# Altium PCB CPU.PcbDoc (part 1 of 2)
Units mm, origin at the board's own origin, x right, y up, seen from the top; angles counter-clockwise.
Board outline 164.68 x 100.38 mm, 2 copper layers (Top Layer, Bottom Layer); 83 components, 106 nets, 453 pads, 320 vias.
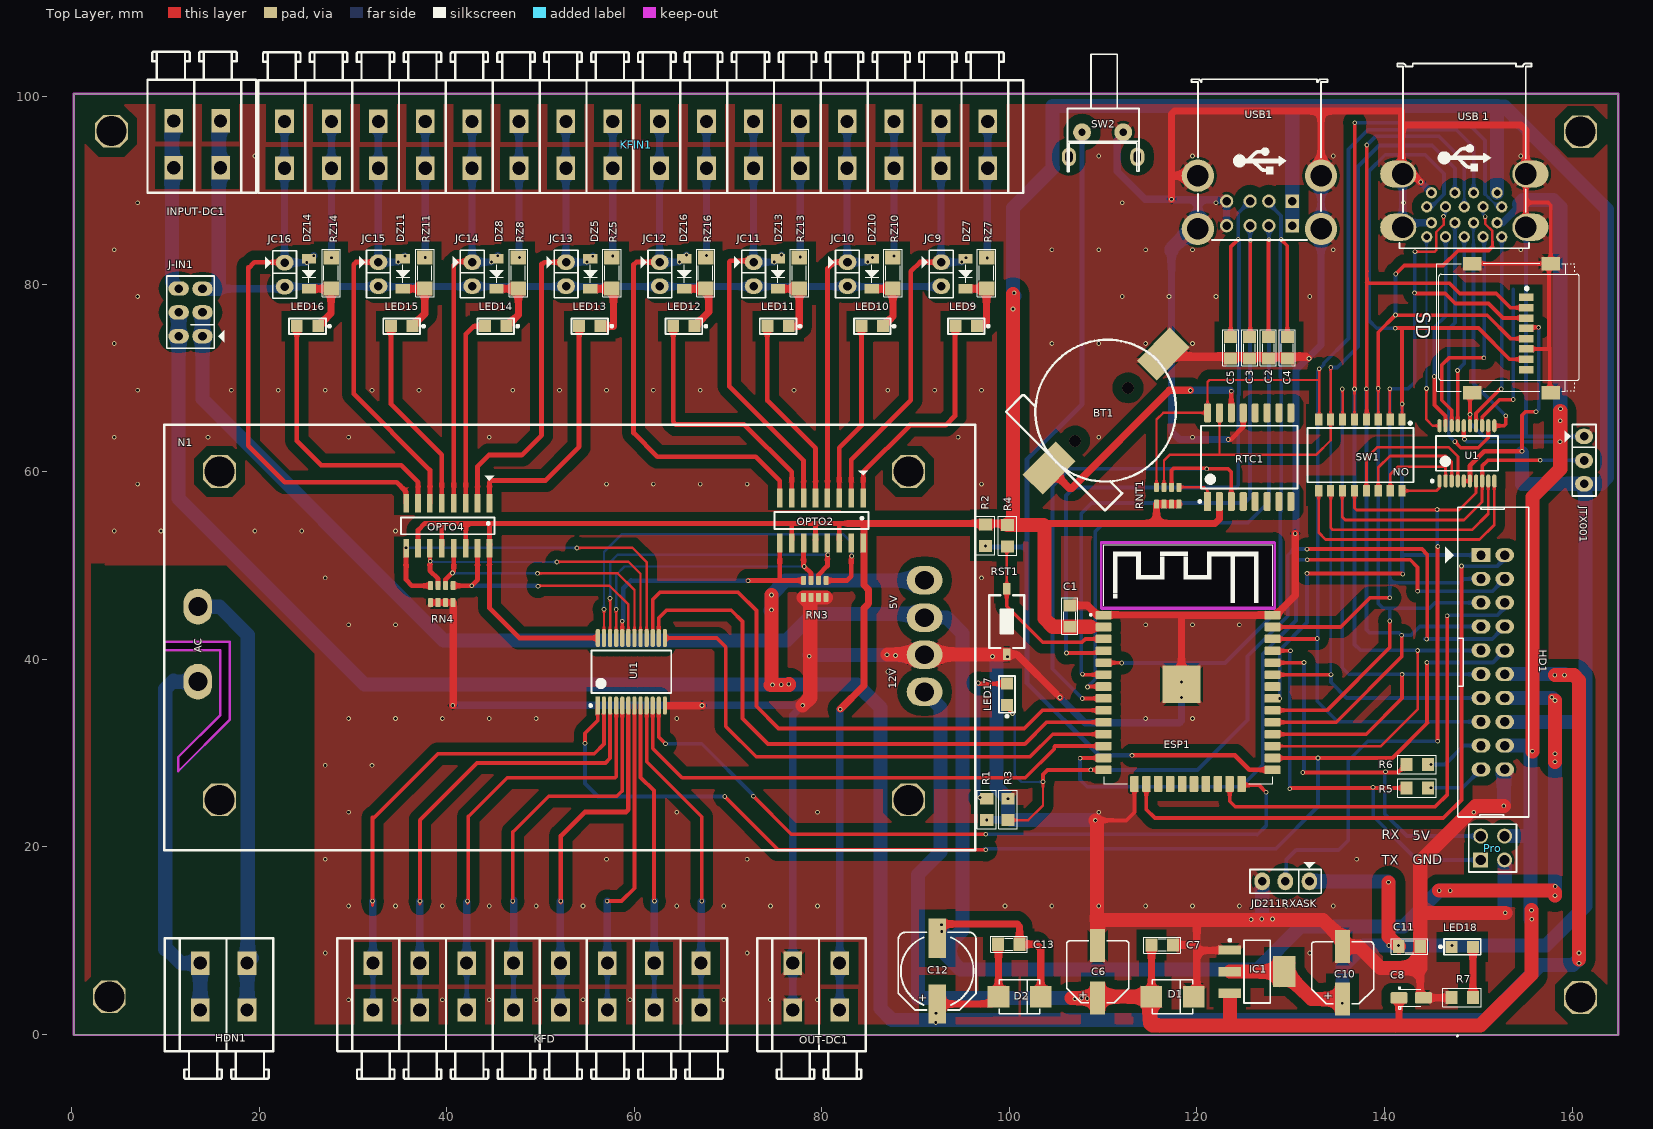
[diagram p0: Top Layer view]
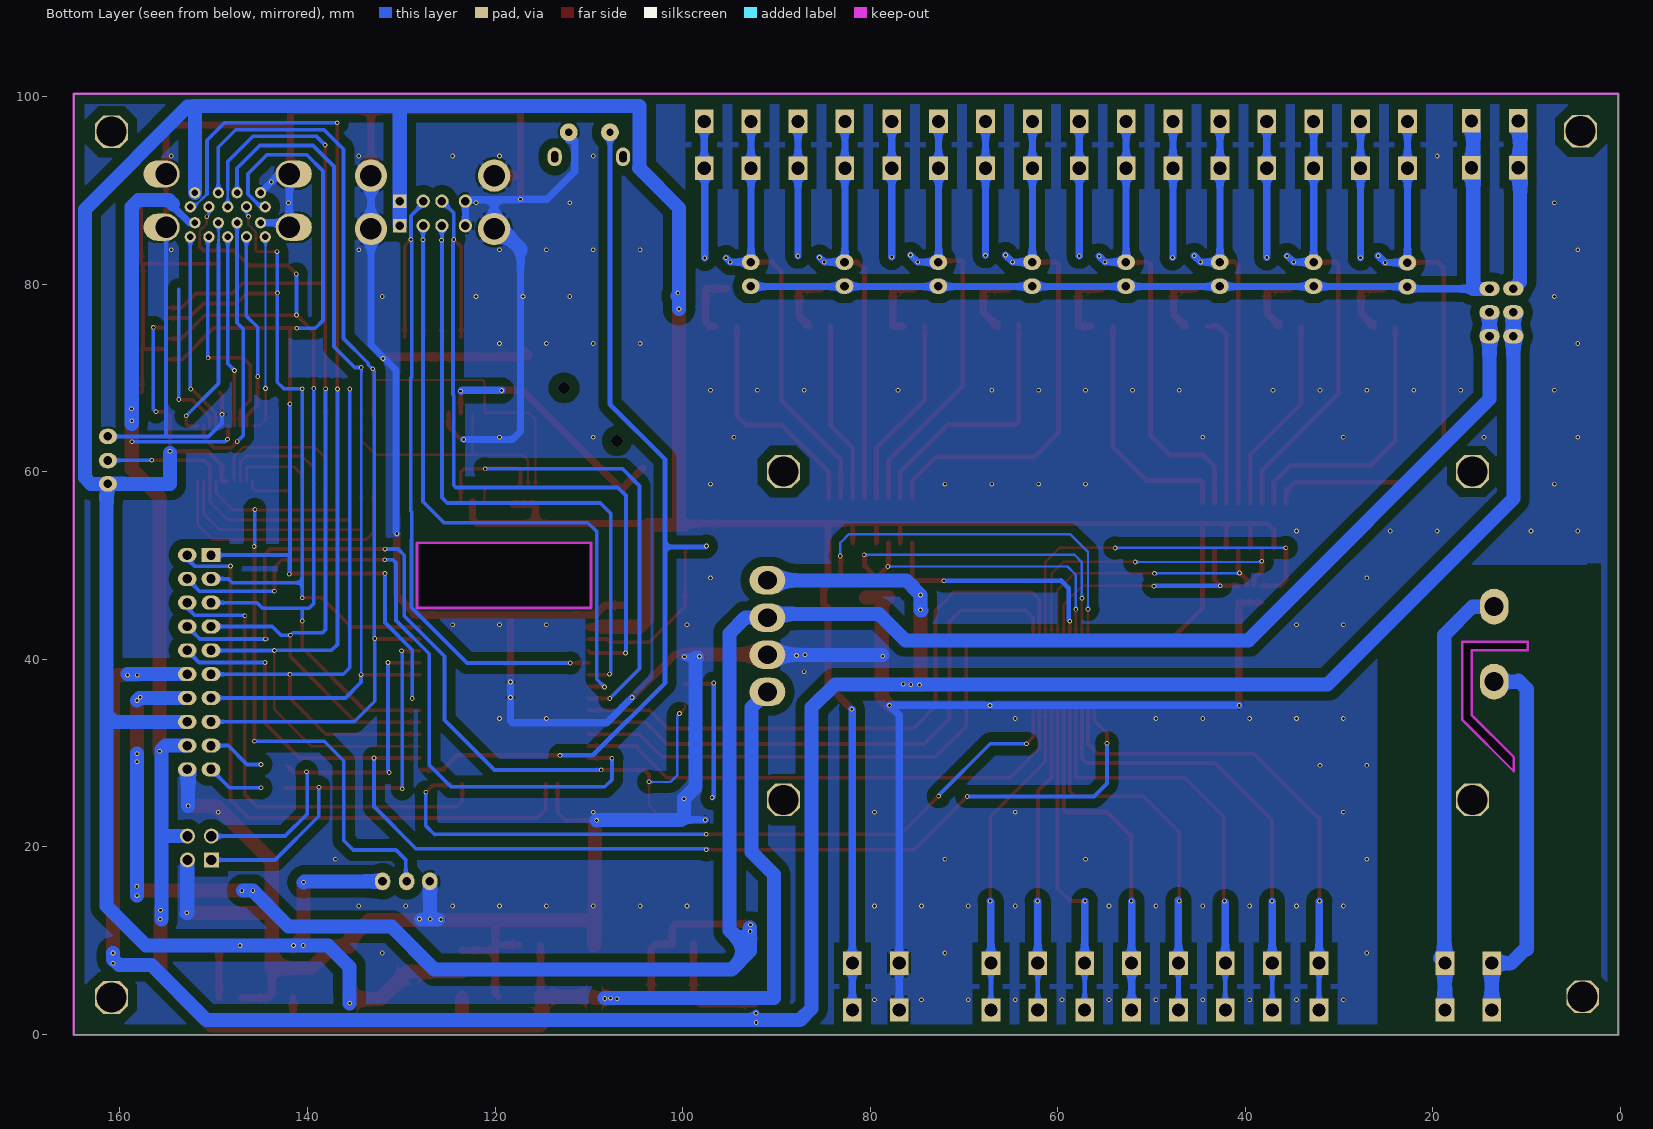
[diagram p1: Bottom Layer view, seen from below]
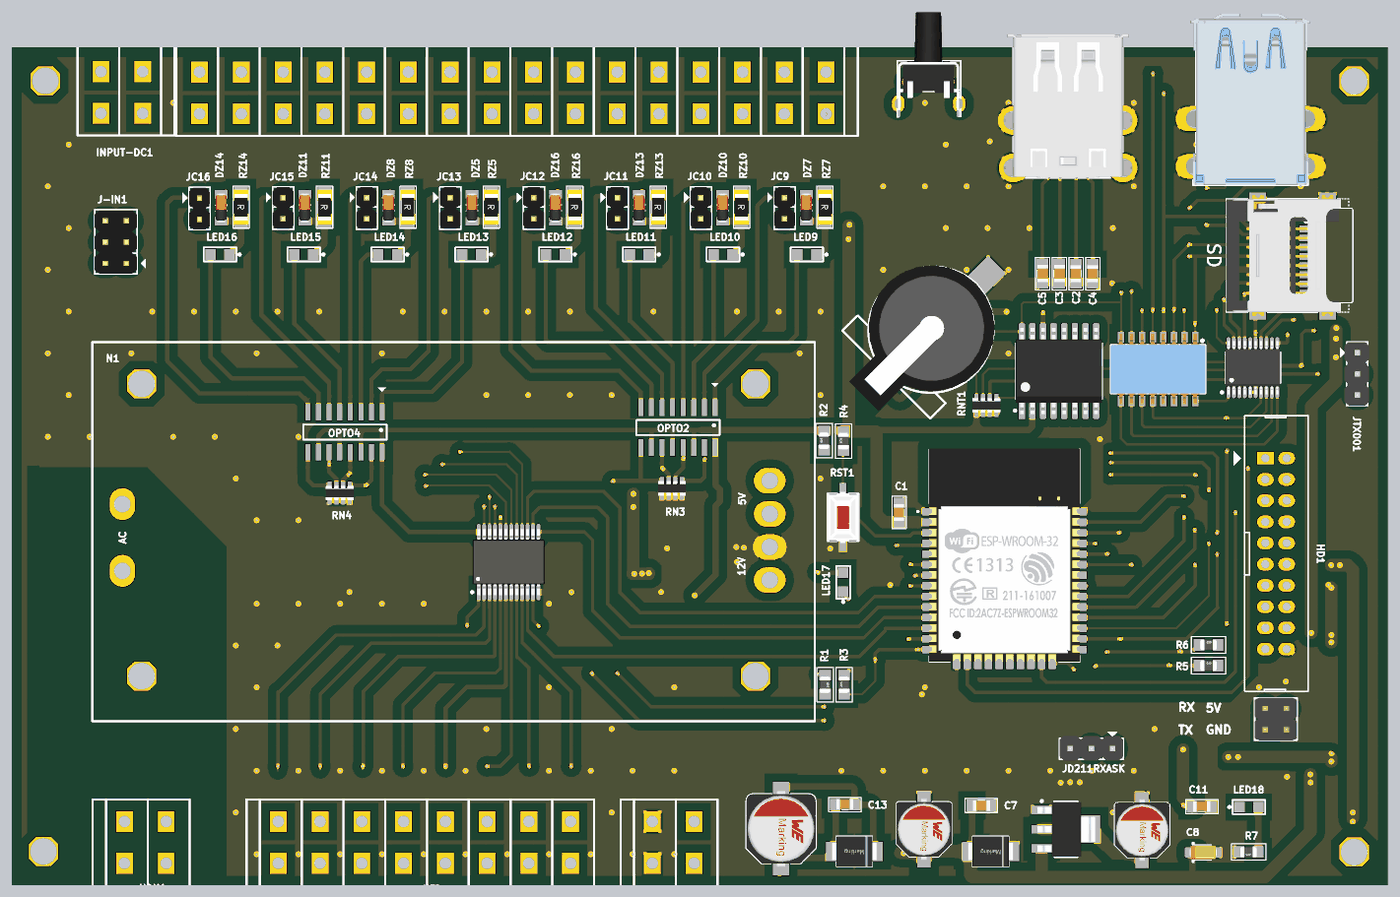
[diagram p3: 3D render of the assembled board from above, using the file's embedded part models]

## Layer stack, top to bottom
Top Solder: solder mask 0.0102, Solder Resist, Dk 3.5
Top Layer: signal copper 0.0356
Dielectric 1: dielectric 0.32, FR-4, Dk 4.8
Bottom Layer: signal copper 0.0356
Bottom Solder: solder mask 0.0102, Solder Resist, Dk 3.5

## Board outline
0.229,-0.076 0.229,100.305 164.909,100.305 164.909,-0.076
cut-out: 9.874,40.961 15.85,40.961 15.85,34.052 11.354,29.556 11.354,28.057 16.866,33.569 16.866,41.875 9.874,41.875
cut-out: 109.696,45.466 ccw(c109.823,45.466) 109.823,45.339 128.213,45.339 ccw(c128.213,45.466) 128.332,45.422 ccw(c128.289,45.542) 128.416,45.542 128.416,52.324 ccw(c128.289,52.324) 128.332,52.444 ccw(c128.213,52.4) 128.213,52.528 109.798,52.528 ccw(c109.798,52.4) 109.696,52.324

## Design rules (kind name [scope] priority, off if disabled: settings)
Clearance Clearance_1 [InNet('OV2-')] p1: gap=1
Clearance [All] p2: gap=0.254
PlaneConnect [All] p1: planeconnectstyle=Relief reliefexpansion=0.508 reliefentries=4 reliefconductorwidth=0.5 reliefairgap=0.254
PolygonConnect [All] p1: connectstyle=Relief reliefconductorwidth=0.5 reliefentries=4 polygonreliefangle="45 Angle" airgapwidth=0.254
RoomDefinition "CPU Module" [InComponentClass('CPU Module')] p1: confinementstyle=ConfineIn formatcopy=TRUE lockcomponents=FALSE outline -485.477,-376.326 -434.677,-376.326 -434.677,-350.926 -485.477,-350.926
RoutingVias [All] p1: holewidth=0.3 width=0.5 viastyle="Through Hole" minholewidth=0.3 minwidth=0.5 maxholewidth=0.3 maxwidth=0.5
SolderMaskExpansion [All] p1: expansion=0.102
Width Width_2 [All] p1: maxlimit=1.5 minlimit=0.4 preferedwidth=0.8
Width Width_1 [All] p2: maxlimit=0.762 minlimit=0.254 preferedwidth=0.508
Width [All] p3: maxlimit=0.9 minlimit=0.3 preferedwidth=0.6
29 further rules are at their usual default settings.

## Components (designator, comment, footprint, x,y, rotation, side; value= is the part's Value field where it differs from the comment)
BT1 "PIN 3V" "PIN CR1220-SMD" 99.638,66.396 r315 top
C1 "104" SM-0805 106.445,44.602 r270 top
C2 "104" SM-0805 127.628,73.203 r270 top
C3 "104" SM-0805 125.596,73.228 r90 top
C4 "104" SM-0805 129.635,73.203 r270 top
C5 "104" SM-0805 123.59,73.228 r90 top
C6 "47uF/16V" WCAP-AS5H_6.3x5.5 109.417,6.655 r90 top
C7 "104" SM-0805 116.3,9.525 r0 top
C8 "10µ" CAPMP3216X180N 142.843,3.886 r0 top
C10 "47uF/16V" WCAP-AS5H_6.3x5.5 135.528,6.553 r90 top
C11 "104" SM-0805 142.665,9.347 r180 top
C12 "100uF/35V" WCAP-AS5H_8x10.5 92.297,6.731 r90 top
C13 "104" SM-0805 99.942,9.601 r180 top
D1 "TVS P6KE30A" DO-214AA_Unidirectional 117.392,4.013 r180 top
D2 "TVS P6KE30A" DO-214AA_Unidirectional 101.085,4.013 r180 top
DZ5 "12V" "DIOS 1S2P1406H" 55.304,81.102 r270 top
DZ7 "12V" "DIOS 1S2P1406H" 95.32,81.102 r270 top
DZ8 "12V" "DIOS 1S2P1406H" 45.3,81.102 r270 top
DZ10 "12V" "DIOS 1S2P1406H" 85.316,81.102 r270 top
DZ11 "12V" "DIOS 1S2P1406H" 35.296,81.102 r270 top
DZ13 "12V" "DIOS 1S2P1406H" 75.312,81.102 r270 top
DZ14 "12V" "DIOS 1S2P1406H" 25.292,81.102 r270 top
DZ16 "12V" "DIOS 1S2P1406H" 65.308,81.102 r270 top
ESP1 "Wroom 32D" MODULE_ESP-WROOM-32 119.043,36.449 r0 top
HD1 "Header 10x2" Hed2X10S 150.285,51.105 r270 top
HDN1 "Header 2" "KF211V- 2" 11.5,10.236 r0 top
IC1 "LM1117" SOT223-4N 126.409,6.68 r0 top
INPUT-DC1 "12V" "KF211V- 2" 18.078,89.764 r180 top
J-IN1 "Connector 3x2" JP3x2 12.668,76.987 r90 top
JC9 "Jumper 2" JP2 92.729,82.347 r270 top
JC10 "Jumper 2" JP2 82.725,82.347 r270 top
JC11 "Jumper 2" JP2 72.721,82.347 r270 top
JC12 "Jumper 2" JP2 62.717,82.347 r270 top
JC13 "Jumper 2" JP2 52.713,82.347 r270 top
JC14 "Jumper 2" JP2 42.709,82.347 r270 top
JC15 "Jumper 2" JP2 32.705,82.347 r270 top
JC16 "Jumper 2" JP2 22.701,82.296 r270 top
JD211RXASK "JP3" JP3 129.457,16.307 r180 top
JTX001 "JP3" JP3 161.283,61.214 r270 top
KFD "Header 8" "KF211V- 8" 29.915,10.236 r0 top
KFIN1 "Header 16" "KF211V- 16" 99.892,89.713 r180 top
LED9 "LED" LED0805 95.396,75.514 r180 top
LED10 "LED" LED0805 85.359,75.514 r180 top
LED11 "LED" LED0805 75.323,75.514 r180 top
LED12 "LED" LED0805 65.286,75.514 r180 top
LED13 "LED" LED0805 55.249,75.514 r180 top
LED14 "LED" LED0805 45.213,75.514 r180 top
LED15 "LED" LED0805 35.176,75.514 r180 top
LED16 "LED" LED0805 25.139,75.514 r180 top
LED17 "LED" LED0805 99.739,36.246 r90 top
LED18 "LED" LED0805 148.304,9.322 r0 top
N1 "SM-DLB20A-20W" SM-DLB20A 9.849,19.609 r0 top
OPTO2 "TLP2904" SO-16 79.953,54.788 r270 top
OPTO4 "TLP2904" SO-16 40.1,54.229 r270 top
OUT-DC1 "12V" "KF211V- 2" 74.695,10.236 r0 top
Pro "61300421821" 61300421121 151.53,19.863 r90 top (schematic designator PRO)
R1 "100" R-0805 97.58,23.978 r270 top
R2 "1k" R-0805 97.453,53.213 r90 top
R3 "10k" R-0805 99.841,23.978 r90 top
R4 "1k" R-0805 99.79,53.162 r90 top
R5 "1k" R-0805 143.478,26.264 r0 top
R6 "1k" R-0805 143.478,28.753 r0 top
R7 "100" R-0805 148.279,3.937 r180 top
RN3 "1K" "RES P4 Dual 0805/2012" 79.241,47.498 r90 top
RN4 "1K" "RES P4 Dual 0805/2012" 39.465,46.939 r90 top
RNT1 "1K" "RES P4 Dual 0805/2012" 116.884,57.429 r270 top
RST1 "SW-SMD" SW-SMD 99.714,44.018 r270 top
RTC1 "DS3231" SOIC127P750X1030-16N 125.571,61.544 r90 top
RZ5 "1k" SM-1206 57.611,81.178 r270 top
RZ7 "1k" SM-1206 97.555,81.178 r270 top
RZ8 "1k" SM-1206 47.626,81.178 r270 top
RZ10 "1k" SM-1206 87.569,81.178 r270 top
RZ11 "1k" SM-1206 37.64,81.178 r270 top
RZ13 "1k" SM-1206 77.583,81.178 r270 top
RZ14 "1k" SM-1206 27.654,81.178 r270 top
RZ16 "1k" SM-1206 67.597,81.178 r270 top
SD "693072010801" 693072010801 153.543,75.311 r90 top
SW1 "TDA08H0SB1" SW8-416131160808 137.433,61.773 r180 top
SW2 "SW" SW2-D2 110.001,96.19 r180 top
U1 "TXB0108" TSSOP65P440X650-20N 148.787,61.951 r90 top
UI1 "4067" SSOP65P530X850-24N 59.683,38.659 r90 top
USB1 "61400826021" 61400826021 126.663,93.345 r180 top
"USB 1" "692141030100" 692141030100 148.507,93.675 r180 top

## Footprints (in the part's own frame and the unit in brackets; to place one, negate y for a bottom-side part, rotate by r counter-clockwise, add the part's x,y. Pads: shape width x height; smd on the part's side, far side on the other; paste and mask are expansions set on the pad)
61300421121 [mm] "4 pins, dual pin, straight, gold plating"
  rect 1.6x1.6 hole 1.1: 1(-1.27,1.27)
  round 1.6 hole 1.1: 2(1.27,1.27) 3(-1.27,-1.27) 4(1.27,-1.27)
  silkscreen extent -2.54,-2.54 2.54,2.54, body extent -2.54,-2.54 2.54,2.54, height 8.57
61400826021 [mm] "USB 2.0 Type A Horizontal Dual Stacked"
  rect 1.42x1.42 hole 0.92: A1(-3.5,7.11) B1(-3.5,4.49)
  round 1.42 hole 0.92: A2(-1,7.11) A3(1,7.11) A4(3.5,7.11) B2(-1,4.49) B3(1,4.49) B4(3.5,4.49)
  round 3.45 hole 2.3: Shell(-6.57,7.46) Shell(-6.57,1.78) Shell(6.57,7.46) Shell(6.57,1.78)
  silkscreen extent -7.25,-8.5 7.25,8.65, body extent -7.91,-8.5 7.91,8.65, height 15.93
692141030100 [mm] "USB 3.0 Type A Stacked"
  round 1.2 hole 0.7: 1(-3.5,3.93) 2(-1,3.93) 3(1,3.93) 4(3.5,3.93) 5(4,5.43) 6(2,5.43) 7(0,5.43) 8(-2,5.43) 9(-4,5.43) 10(-3.5,7.13) 11(-1,7.13) 12(1,7.13) 13(3.5,7.13) 14(4,8.63) 15(2,8.63) 16(0,8.63) 17(-2,8.63) 18(-4,8.63)
  oval 3.85x2.9 hole 2.3 copper offset -0.475,0: Shell(-6.57,7.61) Shell(-6.57,1.93)
  oval 3.85x2.9 hole 2.3 copper offset 0.475,0: Shell(6.57,7.61) Shell(6.57,1.93)
  silkscreen extent -7.15,-9.85 7.15,9.85, body extent -7.79,-9.85 7.79,9.85, height 16.11
693072010801 [mm] "WR-CRD Micro SD_Hinge_8 pins"
  rect 0.8x1.5 smd: 1(3.275,-1.575) 2(2.175,-1.575) 3(1.075,-1.575) 4(-0.025,-1.575) 5(-1.125,-1.575) 6(-2.225,-1.575) 7(-3.325,-1.575) 8(-4.425,-1.575)
  rect 1.45x2 smd: Shield(-6.875,-4.175) Shield(-6.875,4.175) Shield(6.875,-4.175) Shield(6.875,4.175)
  silkscreen extent -6.75,-7.23 6.9,7.97, body extent -7.17,-5.73 7.33,7.97, height 1.78
CAPMP3216X180N [mm] "Capacitor, polarized, Molded Body, EIA 535BAAC size A; 3.20mm L X 1.60mm W X 1.80mm H"
  round 0.508 on Mech14: 0(0,0)
  rrect25% 1.8x1.2 smd: 1(-1.3,0) 2(1.3,0)
  silkscreen extent -1.3,-1.2 1,1.2, body extent -1.6,-0.8 1.6,0.8, height 1.8
"DIOS 1S2P1406H" [mm]
  rect 1x1.524 smd: 1(-1.6,0) 2(1.6,0)
  silkscreen extent -0.99,-0.71 0.97,0.74, body extent -1.75,-0.74 1.75,0.71, height 1.41
DO-214AA_Unidirectional [mm] "WE-TVSP Power TVS Diode, DO-214AA, Unidirectional"
  rect 2.3x2.3 smd: 1(-2.25,0) 2(2.25,0)
  silkscreen extent -2.16,-1.81 2.16,1.81, body extent -2.7,-1.81 2.7,1.81, height 2.4
Hed2X10S [mm] "Header 10x2,20 pin, connecter"
  rect 1.5x2 hole 1: 1(0,0)
  oval 1.5x2 hole 1: 2(2.54,0) 3(5.08,0) 4(7.62,0) 5(10.16,0) 6(12.7,0) 7(15.24,0) 8(17.78,0) 9(20.32,0) 10(22.86,0) 11(0,2.54) 12(2.54,2.54) 13(5.08,2.54) 14(7.62,2.54) 15(10.16,2.54) 16(12.7,2.54) 17(15.24,2.54) 18(17.78,2.54) 19(20.32,2.54) 20(22.86,2.54)
  silkscreen extent -5.1,-3.81 27.94,5.1
JP2 [mil]
  oval 65x75 hole 36: 1(0,0) 2(101,0)
  silkscreen extent -50,-81 150,50, body extent -48,-50 148,48, height 323
JP3 [mil] "Jumper 3"
  oval 65x75 hole 36: 1(-100,0) 2(1,0) 3(99,0)
  silkscreen extent -150,-81 150,50, body extent -150,-60 150,55, height 355
JP3x2 [mil] "Connector 3x2"
  oval 60x86 hole 36: 1(-100,-50) 2(0,-50) 3(99,-50) 4(-100,50) 5(0,50) 6(100,50)
  silkscreen extent -150,-141 153,100, body extent -150,-100 150,100, height 335
"KF211V- 2" [mm] "KF211V/R-5.0"
  rect 2x2.5 hole 1.4: 1(2.2,-2.65) 1(2.2,-7.65) 2(7.2,-7.65) 2(7.2,-2.65)
  silkscreen extent -1.6,-15 10,0
"KF211V- 8" [mm] "KF211V/R-5.0"
  rect 2x2.5 hole 1.4: 1(2.2,-2.65) 1(2.2,-7.65) 2(7.2,-7.65) 2(7.2,-2.65) 3(12.2,-2.65) 3(12.2,-7.65) 4(17.2,-7.65) 4(17.2,-2.65) 5(22.2,-7.65) 5(22.2,-2.65) 6(27.2,-7.65) 6(27.2,-2.65) 7(32.2,-7.65) 7(32.2,-2.65) 8(37.2,-2.65) 8(37.2,-7.65)
  silkscreen extent -1.6,-15 40,0
"KF211V- 16" [mm] "KF211V/R-5.0"
  rect 2x2.5 hole 1.4: 1(2.2,-2.65) 1(2.2,-7.65) 2(7.2,-7.65) 2(7.2,-2.65) 3(12.2,-2.65) 3(12.2,-7.65) 4(17.2,-7.65) 4(17.2,-2.65) 5(22.2,-7.65) 5(22.2,-2.65) 6(27.2,-7.65) 6(27.2,-2.65) 7(32.2,-7.65) 7(32.2,-2.65) 8(37.2,-2.65) 8(37.2,-7.65) 9(42.2,-7.65) 9(42.2,-2.65) 10(47.2,-2.65) 10(47.2,-7.65) 11(52.2,-7.65) 11(52.2,-2.65) 12(57.2,-7.65) 12(57.2,-2.65) 13(62.2,-7.65) 13(62.2,-2.65) 14(67.2,-7.65) 14(67.2,-2.65) 15(72.2,-2.65) 15(72.2,-7.65) 16(77.2,-7.65) 16(77.2,-2.65)
  silkscreen extent -1.6,-15 80,0
LED0805 [mil] "Chip Resistor; Body 2.0 x 1.3 mm (LxW typ)"
  rect 50x50 smd: 1(-45,0) 2(45,0)
  silkscreen extent -97,-33 77,33, body extent -60,-25 60,25, height 47
MODULE_ESP-WROOM-32 [mil]
  rrect22% 67x36 smd: 1(-354.33,325) 2(-354.33,275) 3(-354.33,225) 4(-354.33,175) 5(-354.33,125) 6(-354.33,75) 7(-354.33,25) 8(-354.33,-25) 9(-354.33,-75) 10(-354.33,-125) 11(-354.33,-175) 12(-354.33,-225) 13(-354.33,-275) 14(-354.33,-325) 25(355,-325) 26(355,-275) 27(355,-225) 28(355,-175) 29(355,-125) 30(355,-75) 31(355,-25) 32(355,25) 33(355,75) 34(355,125) 35(355,175) 36(355,225) 37(355,275) 38(355,325)
  rrect22% 36x67 smd: 15(-225,-384.06) 16(-175,-384.06) 17(-125,-384.06) 18(-75,-384.06) 19(-25,-384.06) 20(25,-384.06) 21(75,-384.06) 22(125,-384.06) 23(175,-384.06) 24(225,-384.06)
  rect 158x158 smd: PAD(-27.56,34)
  silkscreen extent -412,-384 355,621, body extent -354,-382 354,622, height 114
"PIN CR1220-SMD" [mm]
  rect 3x5 smd: 1(7.5,-1) 2(7.5,16.2)
  silkscreen extent 0,0 14.9,15.3, body extent -0.18,-3.75 14.92,15.3, height 3
R-0805 [mil] "Compoment SMD 80x50mil"
  rect 50x55 smd: 1(-45,0) 2(45,0)
  silkscreen extent -81,-39 81,39, body extent -39,-25 39,25, height 31
"RES P4 Dual 0805/2012" [mm]
  round 0.254 on Mech15: 0(0,0)
  rrect25% 0.95x0.5 smd: 1(-0.9,1.2) 2(-0.9,0.4) 3(-0.9,-0.4) 4(-0.9,-1.2) 5(0.9,-1.2) 6(0.9,-0.4) 7(0.9,0.4) 8(0.9,1.2)
  Top Layer pour cut-out: -0.4,1.7 0.4,1.7 0.4,-1.7 -0.4,-1.7
  body extent -0.87,-1.68 0.88,1.67, height 0.7
SM-0805 [mil] "Compoment SMD 80x50mil"
  rect 50x55 smd: 1(-45,0) 2(45,0)
  silkscreen extent -77,-34 76,33, body extent -40,-27 40,23, height 24
SM-1206 [mil] "Compoment SMD 120x60mil"
  rect 60x65 smd: 1(-65,0) 2(65,0)
  silkscreen extent -99,-38 99,39, body extent -83,-35 83,36, height 25
SM-DLB20A [mm] "Ngu?n 20W cách ly"
  oct 3.5x3.5 hole 3.2: 0(5.9,5.4) 0(5.9,40.4) 0(79.4,5.4) 0(79.4,40.4)
  oval 3.048x3.81 hole 2: AC-L(3.6,18) AC-N(3.6,26)
  oval 3.81x3.048 hole 2: OV1+(81.1,28.8) OV1-(81.1,24.82) OV2+(81.1,16.9) OV2-(81.1,20.86)
  silkscreen extent 0,0 86.5,45.4
SO-16 [mm] "SOIC, 16-Leads, Body 9.9x3.9mm, Pitch 1.27mm, IPC Medium Density"
  rect 2x0.6 smd: 1(-2.4,4.445) 2(-2.4,3.175) 3(-2.4,1.905) 4(-2.4,0.635) 5(-2.4,-0.635) 6(-2.4,-1.905) 7(-2.4,-3.175) 8(-2.4,-4.445) 9(2.4,-4.445) 10(2.4,-3.175) 11(2.4,-1.905) 12(2.4,-0.635) 13(2.4,0.635) 14(2.4,1.905) 15(2.4,3.175) 16(2.4,4.445)
  silkscreen extent -5.33,-5 0.9,5, body extent -3.52,-4.95 3.54,4.95, height 1.75
SOIC127P750X1030-16N [mil] "SOIC, 16-Leads, Body 10.30x7.50mm, Pitch 1.27mm, IPC Medium Density"
  rect 80x30 smd: 1(-186.02,175)
  rrect50% 80x30 smd: 2(-186.02,125) 3(-186.02,75) 4(-186.02,25) 5(-186.02,-25) 6(-186.02,-75) 7(-186.02,-125) 8(-186.02,-175) 9(186.02,-175) 10(186.02,-125) 11(186.02,-75) 12(186.02,-25) 13(186.02,25) 14(186.02,75) 15(186.02,125) 16(186.02,175)
  silkscreen extent -191,-203 132,212, body extent -203,-203 203,203, height 98
SOT223-4N [mm] "SOT223, 4-Leads, Body 6.5x3.5mm, Pitch 2.3mm, Lead Span 7mm, IPC Medium Density"
  rect 2.4x1 smd: 1(-2.9,2.3) 2(-2.9,0) 3(-2.9,-2.3)
  rect 2.4x3.3 smd: 4(2.9,0)
  silkscreen extent -3.02,-3.35 1.4,3.47, body extent -3.39,-3.27 3.5,3.23, height 1.72
SSOP65P530X850-24N [mm] "SSOP, 24-Leads, Body 8.50x5.30mm, Pitch 0.65mm, IPC Medium Density"
  rect 1.956x0.457 smd: 1(-3.6,3.575)
  oval 1.956x0.457 smd: 2(-3.6,2.925) 3(-3.6,2.275) 4(-3.6,1.625) 5(-3.6,0.975) 6(-3.6,0.325) 7(-3.6,-0.325) 8(-3.6,-0.975) 9(-3.6,-1.625) 10(-3.6,-2.275) 11(-3.6,-2.925) 12(-3.6,-3.575) 13(3.6,-3.575) 14(3.6,-2.925) 15(3.6,-2.275) 16(3.6,-1.625) 17(3.6,-0.975) 18(3.6,-0.325) 19(3.6,0.325) 20(3.6,0.975) 21(3.6,1.625) 22(3.6,2.275) 23(3.6,2.925) 24(3.6,3.575)
  silkscreen extent -3.72,-4.25 2.25,4.47, body extent -3.95,-4.31 3.95,4.32, height 1.98
SW2-D2 [mil] "SW button 2pin, 300x 300 x 250 mil"
  round 75 hole 31: 1(-84,0) 2(89,0)
  oval 59.06x78.74 hole 31 slot 47.24 at 90 deg: G1(-143,103) G2(144,103)
  silkscreen extent -150,-328 150,165, body extent -163,-327 167,163, height 290
SW8-416131160808 [mm] "1.27 mm small compact SMD flat actuator with top tape, 08p"
  rect 0.76x1.27 smd: 1(-4.445,-3.81) 2(-3.175,-3.81) 3(-1.905,-3.81) 4(-0.635,-3.81) 5(0.635,-3.81) 6(1.905,-3.81) 7(3.175,-3.81) 8(4.445,-3.81) 9(4.445,3.81) 10(3.175,3.81) 11(1.905,3.81) 12(0.635,3.81) 13(-0.635,3.81) 14(-1.905,3.81) 15(-3.175,3.81) 16(-4.445,3.81)
  silkscreen extent -5.67,-3.43 5.67,2.9, body extent -5.66,-4.22 5.67,4.22, height 2.7
SW-SMD [mm] "Switch SMD type"
  rect 1.2x0.8 smd: 1(-3.5,0) 2(3.5,0)
  silkscreen extent -2.82,-1.85 2.82,1.85, body extent -3.05,-1.85 3.05,1.85, height 2.5
TSSOP65P440X650-20N [mm] "TSSOP, 20-Leads, Body 6.50x4.40mm, Pitch 0.65mm, IPC Medium Density"
  oval 1.4x0.45 smd: 1(-2.95,2.925) 2(-2.95,2.275) 3(-2.95,1.625) 4(-2.95,0.975) 5(-2.95,0.325) 6(-2.95,-0.325) 7(-2.95,-0.975) 8(-2.95,-1.625) 9(-2.95,-2.275) 10(-2.95,-2.925) 11(2.95,-2.925) 12(2.95,-2.275) 13(2.95,-1.625) 14(2.95,-0.975) 15(2.95,-0.325) 16(2.95,0.325) 17(2.95,0.975) 18(2.95,1.625) 19(2.95,2.275) 20(2.95,2.925)
  silkscreen extent -3.07,-3.3 1.85,3.82, body extent -3.2,-3.3 3.2,3.3, height 0.95
WCAP-AS5H_6.3x5.5 [mm] "Polarized capacitors, Aluminum Electrolytic Capacitors, 2-Leads, Body 6.3x5.5x2.2"
  rect 3.5x1.6 smd: 1(-2.8,0) 2(2.8,0)
  silkscreen extent -3.3,-3.3 3.3,3.3, body extent -3.65,-3.3 3.65,3.3, height 5.5
WCAP-AS5H_8x10.5 [mm] "Polarized capacitors, Aluminum Electrolytic Capacitors, 2-Leads, Body 8x10.5x3.1"
  rect 4.2x1.9 smd: 1(-3.5,0) 2(3.5,0)
  silkscreen extent -4.15,-4.15 4.15,4.15, body extent -4.5,-4.15 4.5,4.15, height 10.5

## Part data
BT1: "Lithium Battery Holder for CR2032 3V Cell"
C1 C2 C3 C4 C5 C7 C11 C13: library part CM, "Cap SMD"
C6 C10 C12: library part CP3, "Cap 100uF/35V - 470uF/16V"
C8: library part CAPT_10u_0805_10V, "Capacitor SMD Tantalum 10uF 20% 10V 0805"
D1 D2: library part DZ, "Diode Zenner"
DZ5 DZ7 DZ8 DZ10 DZ11 DZ13 DZ14 DZ16: library part "DIODE Zener", "DIODE GEN PURP 75V 200MA LLDS"
ESP1: library part ESP-WROOM-32
HD1: library part HED10X2
HDN1 INPUT-DC1 OUT-DC1: library part Hed2, "Header 2 (Green)"
IC1: "3v3"
J-IN1: library part JP3x2
JC9 JC10 JC11 JC12 JC13 JC14 JC15 JC16: library part "JP 2"
JD211RXASK JTX001: library part Con3, "Connector 3"
KFD: library part "KF 8", "KF211R-5.0"
KFIN1: library part "KF 16", "KF211R-5.0"
LED9 LED10 LED11 LED12 LED13 LED14 LED15 LED16 LED17 LED18: "LED Single colour Green and Red"
OPTO2 OPTO4: library part "PC817 x 4", "PC817 OPTO"
Pro: library part "JP2x2 2.54MM", "2.54 mm Dual Socket Header, 04p"
R1 R2 R3 R4 R5 R6 R7 RZ5 RZ7 RZ8 RZ10 RZ11 RZ13 RZ14 RZ16: library part R, "Resistor 1/4W"
RN3 RN4 RNT1: library part "Respack 4 Dual"
RST1: "Switch"
RTC1: "I2C RTC/TCXO/Crystal"
SD: library part SD-693072010801, "Micro SD Card Connector - Hinge - 8 pins"
SW1: library part "SW 8P", "WS-DITV 2.54 mm small compact THT with raised actuator, 8p"
SW2: library part SW4, "Switch button 4 pin"
UI1: library part MUX-74HC4067, "MUX-74HC4067"
USB1: library part "USB 2.0 Type A Female THR Stacked", "USB 2.0 Type A Female THR Stacked"
"USB 1": library part "USB 3.0 Type A Female THR Stacked", "USB 3.0 Type A"

## Free pads (board coordinates)
  oct 3.5x3.5 hole 3.2: 0(4,4) 0(4.229,96.305) 0(160.909,3.924) 0(160.909,96.254)

## Via types
v1: diameter 0.5, hole 0.3, Top Layer to Bottom Layer, 318 vias
v2: diameter 1.27, hole 1.27, Top Layer to Bottom Layer, 2 vias

## Nets (pads, with @x,y where several pads share a name; then routed paths per layer and width w, separated by ;. In a path a pad name is that pad's centre, name@x,y a point inside that pad or via, vN(x,y) a via of type N, cw(c..) or ccw(c..) an arc to the next point about the centre after c; other vN are vias at no path point)
3.3V: "USB 1.1" C1.2 C10.1 C11.2 ESP1.2 HD1.18 IC1.2 IC1.4 JD211RXASK.1 JTX001.3 LED18.1 OPTO2.10 OPTO2.12 OPTO2.14 OPTO2.16 OPTO4.10 OPTO4.12 OPTO4.14 OPTO4.16 OUT-DC1.2 R2.2 R4.2 RNT1.5 RNT1.6 RNT1.7 RNT1.8 RTC1.2 SD.4 U1.5 U1.6 UI1.24 USB1.A1 USB1.B1 | length 516.5
  Top Layer w0.3: U1.5@148.462,59.001 U1.6@149.112,59.001
  Top Layer w0.4: v1(154.654,62.179) 154.654,66.015 155.035,66.396 v1(156.159,66.396) ; SD.4@155.118,75.286 155.219,75.387 v1(156.439,75.387)
  Top Layer w0.5: U1.6@149.112,59.001 149.112,60.643 150.647,62.179 v1(154.654,62.179)
  Top Layer w0.508: OPTO4.10@36.925,51.829 36.925,53.772 37.636,54.483 39.44,54.483 ; OPTO4.12@39.465,51.829 39.465,54.458 39.44,54.483 ; OPTO4.14@42.005,51.829 42.005,54.483 ; UI1.24@56.022,42.259 47.752,42.259 44.545,45.466 OPTO4.16@44.545,51.829 44.545,54.458 44.52,54.483 ; OPTO2.10@76.778,52.388 76.778,54.381 76.676,54.483 ; OPTO2.12@79.318,52.388 79.318,54.381 79.419,54.483 ; OPTO2.14@81.858,52.388 81.858,54.28 82.061,54.483 ; 82.721,54.483 82.061,54.483 ; 39.44,54.483 42.005,54.483 ; 42.005,54.483 44.52,54.483 ; 44.52,54.483 76.676,54.483 ; 76.676,54.483 79.419,54.483 ; 79.419,54.483 82.061,54.483
  Top Layer w0.762: v1(81.959,34.671) 84.474,37.186 84.474,45.429 84.966,45.921 84.966,47.408 84.474,47.9 84.474,54.356 84.601,54.483 ; 82.721,54.483 84.601,54.483 ; 108.644,43.434 ESP1.2@110.043,43.434 ; RNT1.8@118.084,56.529 RNT1.7@117.284,56.529 RNT1.6@116.484,56.529 RNT1.5@115.684,56.529 115.684,54.483 ; RTC1.2@122.396,56.819 122.396,54.966 121.913,54.483 115.684,54.483 ; 84.601,54.483 99.968,54.483 115.684,54.483
  Top Layer w1.5: v1@100.401,78.969 100.401,54.917 99.968,54.483 R4.2@99.79,54.305 103.651,54.305 103.752,54.204 103.752,44.323 104.616,43.459 C1.2@106.445,43.459 108.619,43.459 108.644,43.434 ; IC1.2@123.509,6.68 IC1.4@129.309,6.68 132.236,3.753 C10.1@135.502,3.753 ; v1(140.43,16.205) 140.43,10.439 C11.2@141.522,9.347
  Bottom Layer w0.4: v1(156.159,66.396) 156.439,66.675 v1(156.439,75.387)
  Bottom Layer w0.762: OUT-DC1.2@81.895,2.586 OUT-DC1.2@81.895,7.586 81.895,34.607 v1(81.959,34.671)
  Bottom Layer w1.5: v1(100.374,77.343) v1@100.374,77.445 ; 100.374,77.902 v1@100.374,78.892 ; 100.527,78.74 v1@100.374,78.892 ; USB1.A1@130.163,86.235 130.163,98.704 ; JD211RXASK.1@131.997,16.307 140.328,16.307 v1(140.43,16.205) ; v1(135.502,3.302) 135.502,4.191 135.528,4.216 135.528,7.188 137.814,9.474 v1(141.497,9.474) v1(147.186,9.474) 157.219,9.474 161.436,13.691 161.436,34.112 ; 152.007,89.745 152.007,98.926 ; HD1.18@152.825,33.325 160.648,33.325 161.436,34.112 ; v1@154.679,61.976 154.679,58.699 JTX001.3@161.283,58.699 ; v1@100.374,78.892 100.374,88.138 104.615,92.378 104.589,92.404 104.589,98.957 104.615,98.982 152.063,98.982 152.007,98.926 ; 152.007,98.926 152.788,98.926 163.747,87.967 163.747,59.36 163.087,58.699 JTX001.3@161.283,58.699 ; JTX001.3@161.283,58.699 161.436,58.547 161.436,34.112
  other v1: 140.455,9.474 100.501,79.07
5V: "USB 1.10" C6.1 C7.1 C8.1 D1.2 HD1.19 IC1.3 N1.OV2+ Pro.4 U1.16 | length 234.7
  Top Layer w0.4: U1.16@148.462,64.901 148.462,63.527 v1(148.539,63.449)
  Top Layer w0.762: C7.1@115.157,9.525 115.157,4.028 D1.2@115.142,4.013 115.142,1.793 116.007,0.928 ; 123.171,0.928 123.509,1.266 ; 123.509,3.734 IC1.3@123.509,4.38 ; 141.18,0.928 141.543,1.291 C8.1@141.543,3.886
  Top Layer w1.5: 106.597,3.855 C6.1@109.417,3.855 109.575,4.013 D1.2@115.142,4.013 ; D1.2@114.984,3.855 114.984,1.177 115.233,0.928 116.007,0.928 123.171,0.928 141.18,0.928 150.209,0.928 155.67,6.389 v1(155.67,13.233) ; 123.509,1.266 123.509,3.734 ; v1(155.772,30.175) 155.772,57.302 158.743,60.274 158.743,66.446
  Bottom Layer w0.4: v1(148.539,63.449) 148.793,63.195 v1(158.725,63.195) ; 158.743,81.89 158.845,81.991
  Bottom Layer w0.8: 152.007,86.545 152.582,86.545 154.356,88.319 154.356,88.5
  Bottom Layer w1.5: N1.OV2+@90.323,37.135 N1.OV2+@90.949,36.509 92.627,34.83 92.627,19.431 90.246,17.049 90.246,3.855 v1@108.299,3.855 ; Pro.4@152.8,21.133 155.543,21.133 155.568,21.107 ; HD1.19@152.825,30.785 155.162,30.785 155.568,30.378 155.568,21.107 ; 154.337,88.519 154.794,88.976 158.007,88.976 158.743,88.24 158.743,81.89 158.743,71.755 158.743,65.075 ; v1@155.568,12.268 155.568,21.107
  other v1: 106.978,3.785 108.299,3.81 107.689,3.855 155.695,12.268 158.743,65.43 158.775,66.7
5V-CLK: "USB 1.17" U1.18 | length 24.7
  Top Layer w0.4: U1.18@147.162,64.901 147.162,66.554 146.101,67.615 146.101,71.374 146.863,72.136 v1(150.597,72.136)
  Bottom Layer w0.4: 150.507,85.045 150.641,84.912 150.641,72.18 v1(150.597,72.136)
5V-CS: "USB 1.16" U1.17 | length 20.6
  Top Layer w0.4: v1(147.777,70.79) 147.812,70.755 U1.17@147.812,64.901
  Bottom Layer w0.254: 148.456,84.994 148.507,85.045
  Bottom Layer w0.4: v1(147.777,70.79) 148.507,71.52 148.507,85.045 148.507,85.065
5V-I2C_SCL: "USB 1.11" U1.11 | length 24.2
  Top Layer w0.4: U1.11@151.712,64.901 152.752,64.901 152.756,64.897 152.933,65.075 v1(152.933,65.964)
  Bottom Layer w0.254: 149.482,84.226 149.482,86.545
  Bottom Layer w0.4: 149.482,84.226 149.482,69.415 v1(152.933,65.964)
5V-I2C_SDA: "USB 1.12" U1.12 | length 37.7
  Top Layer w0.254: v1@147.628,63.205 v1@147.694,63.271
  Top Layer w0.4: v1@147.628,63.205 v1(147.482,63.205) 148.126,62.56 149.995,62.56 151.062,63.627 U1.12@151.062,64.901
  Bottom Layer w0.4: v1(147.482,63.205) 146.863,63.824 146.863,75.235 147.507,75.879 147.507,86.545 ; 147.482,76.276 147.482,84.344 147.491,84.353
5V-MISO: "USB 1.14" U1.20 | length 21.1
  Top Layer w0.254: v1(144.469,68.859) 144.469,65.564 145.132,64.901 U1.20@145.815,64.901
  Bottom Layer w0.254: v1(144.469,68.859) 144.482,68.873 144.482,85.045
5V-MOSI: "USB 1.15" U1.19 | length 21.2
  Top Layer w0.254: U1.19@146.461,64.901 U1.19@146.486,64.926
  Top Layer w0.4: v1(145.313,70.155) 145.339,70.129 145.339,67.107 146.512,65.934 U1.19@146.512,64.901
  Bottom Layer w0.4: v1(145.313,70.155) 145.313,75.394 146.526,76.606 146.526,85.026 146.507,85.045
5V-RF_IN: "USB 1.18" U1.14 | length 21.3
  Top Layer w0.4: U1.14@149.762,64.901 149.762,66.221 152.349,68.809 v1(152.444,68.809)
  Bottom Layer w0.4: v1(152.444,68.809) 152.507,68.872 152.507,85.045
5V-RF_OUT: U1.13 | length 16.7
  Top Layer w0.4: U1.13@150.412,64.901 150.412,65.804 152.248,67.666 153.695,67.666 v1(153.721,67.691)
  Bottom Layer w0.4: v1(153.721,67.691) 153.721,68.968 153.74,68.986 153.74,79.426
12V: C12.1 C13.2 D2.2 HD1.16 J-IN1.4 J-IN1.5 N1.OV1+ | length 297.1
  Top Layer w0.762: C12.1@92.297,3.231 98.053,3.231 D2.2@98.835,4.013 98.835,9.565 C13.2@98.799,9.601
  Top Layer w1.5: v1(74.619,46.838) 74.619,37.338 74.542,37.262 76.473,37.262 v1(76.473,37.338) ; v1(158.159,38.303) v1(159.201,38.303) 160.191,38.303 160.75,37.744 160.75,8.001
  Bottom Layer w0.762: v1(92.17,2.235) 92.907,1.499
  Bottom Layer w1.5: J-IN1.4@11.398,74.371 11.398,57.125 31.21,37.313 83.763,37.313 86.226,34.849 86.226,2.769 87.496,1.499 92.907,1.499 150.769,1.499 156.637,7.366 160.115,7.366 160.75,8.001 v1(160.75,8.661) ; J-IN1.4@11.398,74.447 J-IN1.5@11.398,76.987 ; v1@74.542,45.187 v1(74.619,45.263) v1(74.619,46.838) 75.381,47.6 75.381,47.676 76.114,48.409 N1.OV1+@90.949,48.409 ; HD1.16@152.825,38.405 v1@159.201,38.405
  other v1: 92.145,1.245 160.75,7.569 74.72,37.262 75.66,37.287
12V-OUT: INPUT-DC1.2 J-IN1.6 | length 18.3
  Bottom Layer w1.5: INPUT-DC1.2@10.878,97.414 10.675,97.21 10.675,80.25 J-IN1.6@11.398,79.527
-V9: DZ7.1 JC9.1 KFIN1.2 OPTO2.2 | length 48.2
  Top Layer w0.508: OPTO2.2@83.128,57.188 83.128,61.29 89.478,67.64 ; 89.478,67.666 89.478,81.356 90.468,82.347 JC9.1@92.729,82.347
  Bottom Layer w0.762: JC9.1@92.692,82.384 KFIN1.2@92.692,97.363 ; JC9.1@92.729,82.347 v1(94.913,82.347) v1(95.37,82.804)
-V10: DZ10.1 JC10.1 KFIN1.4 OPTO2.4 | length 44.8
  Top Layer w0.508: OPTO2.4@80.588,57.188 80.588,81.661 ; 80.588,81.585 81.35,82.347 JC10.1@82.725,82.347
  Bottom Layer w0.762: JC10.1@82.692,82.38 KFIN1.4@82.692,97.363 ; JC10.1@82.725,82.347 v1(84.88,82.347) v1(85.388,82.855)
-V11: DZ13.1 JC11.1 KFIN1.6 OPTO2.6 | length 49.5
  Top Layer w0.508: 70.123,69.088 70.123,82.398 70.224,82.499 72.568,82.499 JC11.1@72.721,82.347 ; 70.123,69.113 78.048,61.189 OPTO2.6@78.048,57.188
  Bottom Layer w0.762: JC11.1@72.692,82.376 KFIN1.6@72.692,92.363 KFIN1.6@72.692,97.363 ; JC11.1@72.721,82.347 v1(74.923,82.347) v1(75.685,83.109)
-V12: DZ16.1 JC12.1 KFIN1.8 OPTO2.8 | length 58.6
  Top Layer w0.508: 59.912,82.067 60.191,82.347 JC12.1@62.717,82.347 ; 59.912,82.093 59.912,64.135 62.452,61.595 72.942,61.595 75.508,59.03 OPTO2.8@75.508,57.188
  Bottom Layer w0.762: JC12.1@62.692,82.372 KFIN1.8@62.692,97.363 ; JC12.1@62.717,82.347 v1(64.814,82.347) 65.551,83.083 v1(65.551,83.109)
-V13: DZ5.1 JC13.1 KFIN1.10 OPTO4.2 | length 51.3
  Top Layer w0.508: OPTO4.2@43.275,56.629 43.275,60.554 44.494,61.773 47.974,61.773 50.108,63.906 50.108,82.169 ; 50.108,82.017 50.412,82.321 52.688,82.321 JC13.1@52.713,82.347
  Bottom Layer w0.762: JC13.1@52.692,82.368 KFIN1.10@52.692,97.363 ; JC13.1@52.713,82.347 v1(54.934,82.347) v1(55.569,82.982)
-V14: DZ8.1 JC14.1 KFIN1.12 OPTO4.4 | length 45.6
  Top Layer w0.508: OPTO4.4@40.735,56.629 40.735,82.042 ; 40.735,81.991 41.167,82.423 42.633,82.423 JC14.1@42.709,82.347
  Bottom Layer w0.762: JC14.1@42.692,82.364 KFIN1.12@42.692,92.363 KFIN1.12@42.692,97.363 ; JC14.1@42.709,82.347 v1(44.748,82.347) v1(45.434,83.033)
-V15: DZ11.1 JC15.1 KFIN1.14 OPTO4.6 | length 49.7
  Top Layer w0.508: 30.067,68.275 30.067,82.093 30.321,82.347 JC15.1@32.705,82.347 ; 30.067,68.301 38.195,60.173 OPTO4.6@38.195,56.629
  Bottom Layer w0.762: JC15.1@32.692,82.36 KFIN1.14@32.692,92.363 KFIN1.14@32.692,97.363 ; JC15.1@32.705,82.347 v1(34.817,82.347) 35.477,83.007 v1(35.553,83.007)
-V16: DZ14.1 JC16.1 KFIN1.16 OPTO4.8 | length 61.7
  Top Layer w0.508: 18.815,81.661 19.475,82.321 22.676,82.321 JC16.1@22.701,82.296 ; 18.815,81.788 18.815,62.789 22.726,58.877 34.639,58.877 35.655,57.861 OPTO4.8@35.655,56.629
  Bottom Layer w0.762: JC16.1@22.692,82.305 KFIN1.16@22.692,97.363 ; JC16.1@22.701,82.296 v1(25.063,82.296) v1(25.8,83.033)
A1: ESP1.12 UI1.10 | length 55.5
  Top Layer w0.4: UI1.10@61.958,35.059 61.958,30.491 65.094,27.356 101.695,27.356 104.768,30.429 104.768,30.658 104.845,30.734 ESP1.12@110.043,30.734
A2: ESP1.24 UI1.11 | length 79.4
  Top Layer w0.4: UI1.11@62.608,35.059 62.608,31.695 v1(63.316,30.988) ; v1(72.688,25.375) 76.727,21.336 v1(97.479,21.336) ; ESP1.24@124.758,26.694 124.884,26.568 126.612,26.568 v1(127.374,25.806)
  Bottom Layer w0.4: v1(63.316,30.988) 67.176,30.988 72.688,25.476 v1(72.688,25.375) ; v1(97.479,21.336) 126.384,21.336 ; 126.435,21.285 127.374,22.225 v1(127.374,25.806)
A3: ESP1.10 UI1.14 | length 62.8
  Top Layer w0.4: UI1.14@62.608,42.259 62.608,44.403 63.417,45.212 70.326,45.212 71.52,44.018 71.52,33.68 74.238,30.963 101.644,30.963 103.956,33.274 ESP1.10@110.043,33.274
A4: ESP1.11 UI1.13 | length 58
  Top Layer w0.254: UI1.13@63.258,42.259 UI1.13@63.291,42.259
  Top Layer w0.4: UI1.13@63.291,42.259 68.777,42.259 69.749,41.287 69.749,32.835 72.993,29.591 102.203,29.591 104.616,32.004 ESP1.11@110.043,32.004
AC_L: HDN1.1 N1.AC-L | length 41.1
  Bottom Layer w1.5: 9.966,9.068 9.966,36.82 10.865,37.719 10.975,37.609 N1.AC-L@13.449,37.609 ; 9.966,9.237 11.617,7.586 HDN1.1@13.7,7.586 HDN1.1@13.7,2.586
AC_N: HDN1.2 N1.AC-N | length 47.3
  Bottom Layer w1.5: N1.AC-N@13.449,45.609 15.751,45.609 18.764,42.596 HDN1.2@18.764,7.586 ; HDN1.2@18.7,2.586 HDN1.2@18.7,7.586 HDN1.2@19.241,8.128
ADC1: C2.1 ESP1.7 USB1.A2 | length 83.7
  Top Layer w0.254: C2.1@127.679,74.346 127.679,78.13
  Top Layer w0.4: v1(108.324,37.033) 108.375,37.084 ESP1.7@110.043,37.084 ; C2.1@127.628,74.346 127.628,84.684 v1(127.679,84.734)
  Bottom Layer w0.254: USB1.A2@127.663,86.235 127.663,84.75 v1(127.679,84.734)
  Bottom Layer w0.4: v1(108.324,37.033) 109.155,37.864 109.155,53.612 110.102,54.559 125.444,54.559 127.679,56.794 v1(127.679,84.734) 127.679,86.219 USB1.A2@127.663,86.235
ADC2: C3.2 ESP1.6 USB1.A3 | length 77.5
  Top Layer w0.4: v1(107.791,38.405) 107.842,38.354 ESP1.6@110.043,38.354 ; C3.2@125.596,74.371 125.673,74.447 125.673,84.658 v1(125.698,84.684)
  Bottom Layer w0.4: v1(107.791,38.405) 107.664,38.532 107.664,55.55 108.782,56.667 125.088,56.667 125.663,57.242 USB1.A3@125.663,86.235
AGND: INPUT-DC1.1 J-IN1.3 JC9.2 JC10.2 JC11.2 JC12.2 JC13.2 JC14.2 JC15.2 JC16.2 | length 96.9
  Bottom Layer w0.762: 15.716,79.502 22.472,79.502 JC16.2@22.701,79.731 92.678,79.731 JC9.2@92.729,79.781
  Bottom Layer w1.5: J-IN1.3@13.938,79.502 15.716,79.502 15.716,79.826 15.675,79.867 15.675,97.21 INPUT-DC1.1@15.878,97.414
BOOT: ESP1.25 R2.1 SW2.2 | length 95.7
  Top Layer w0.254: ESP1.25@127.882,28.194 ESP1.25@128.06,28.194
  Top Layer w0.5: v1(113.074,29.743) 124.047,29.743 125.596,28.194 ESP1.25@127.882,28.194
  Bottom Layer w0.5: v1(97.453,52.07) 97.555,51.968 101.873,51.968 ; SW2.2@107.74,96.19 107.74,67.183 101.873,61.316 101.873,51.968 ; v1(113.074,29.743) 109.569,29.743 101.873,37.44 101.873,51.968
CLK: "USB 1.8" ESP1.30 HD1.3 SD.5 SW1.3 | length 101.3
  Top Layer w0.254: SW1.3@139.338,65.583 v1(139.338,68.885) ; v1(150.742,87.198) 150.742,86.423 151.504,85.661 151.504,83.998
  Top Layer w0.4: ESP1.30@128.06,34.544 133.851,34.544 140.557,41.25 v1(140.557,44.069) ; v1(139.338,68.885) 139.338,74.873 v1(141.173,76.708) 141.199,76.683 150.952,76.683 153.449,74.186 SD.5@155.118,74.186 ; v1(141.199,81.077) 142.113,81.991 146.253,81.991 147.853,83.591 151.098,83.591 151.504,83.998
  Bottom Layer w0.254: 150.507,88.245 150.507,87.433 v1(150.742,87.198)
  Bottom Layer w0.4: v1(139.338,68.885) 139.338,45.949 139.846,45.441 140.455,45.441 ; v1(140.557,44.069) 140.557,45.339 140.455,45.441 ; v1(141.173,76.708) 141.173,81.058 v1@141.192,81.077 ; HD1.3@150.285,46.025 145.383,46.025 144.799,45.441 140.455,45.441
CLK-SW: SW1.14 U1.3 | length 13.1
  Top Layer w0.3: SW1.14@139.338,57.963 139.338,60.427 140.582,61.671 146.551,61.671 147.162,61.061 U1.3@147.162,59.001